# KiCad board NSMadapter.kicad_pcb
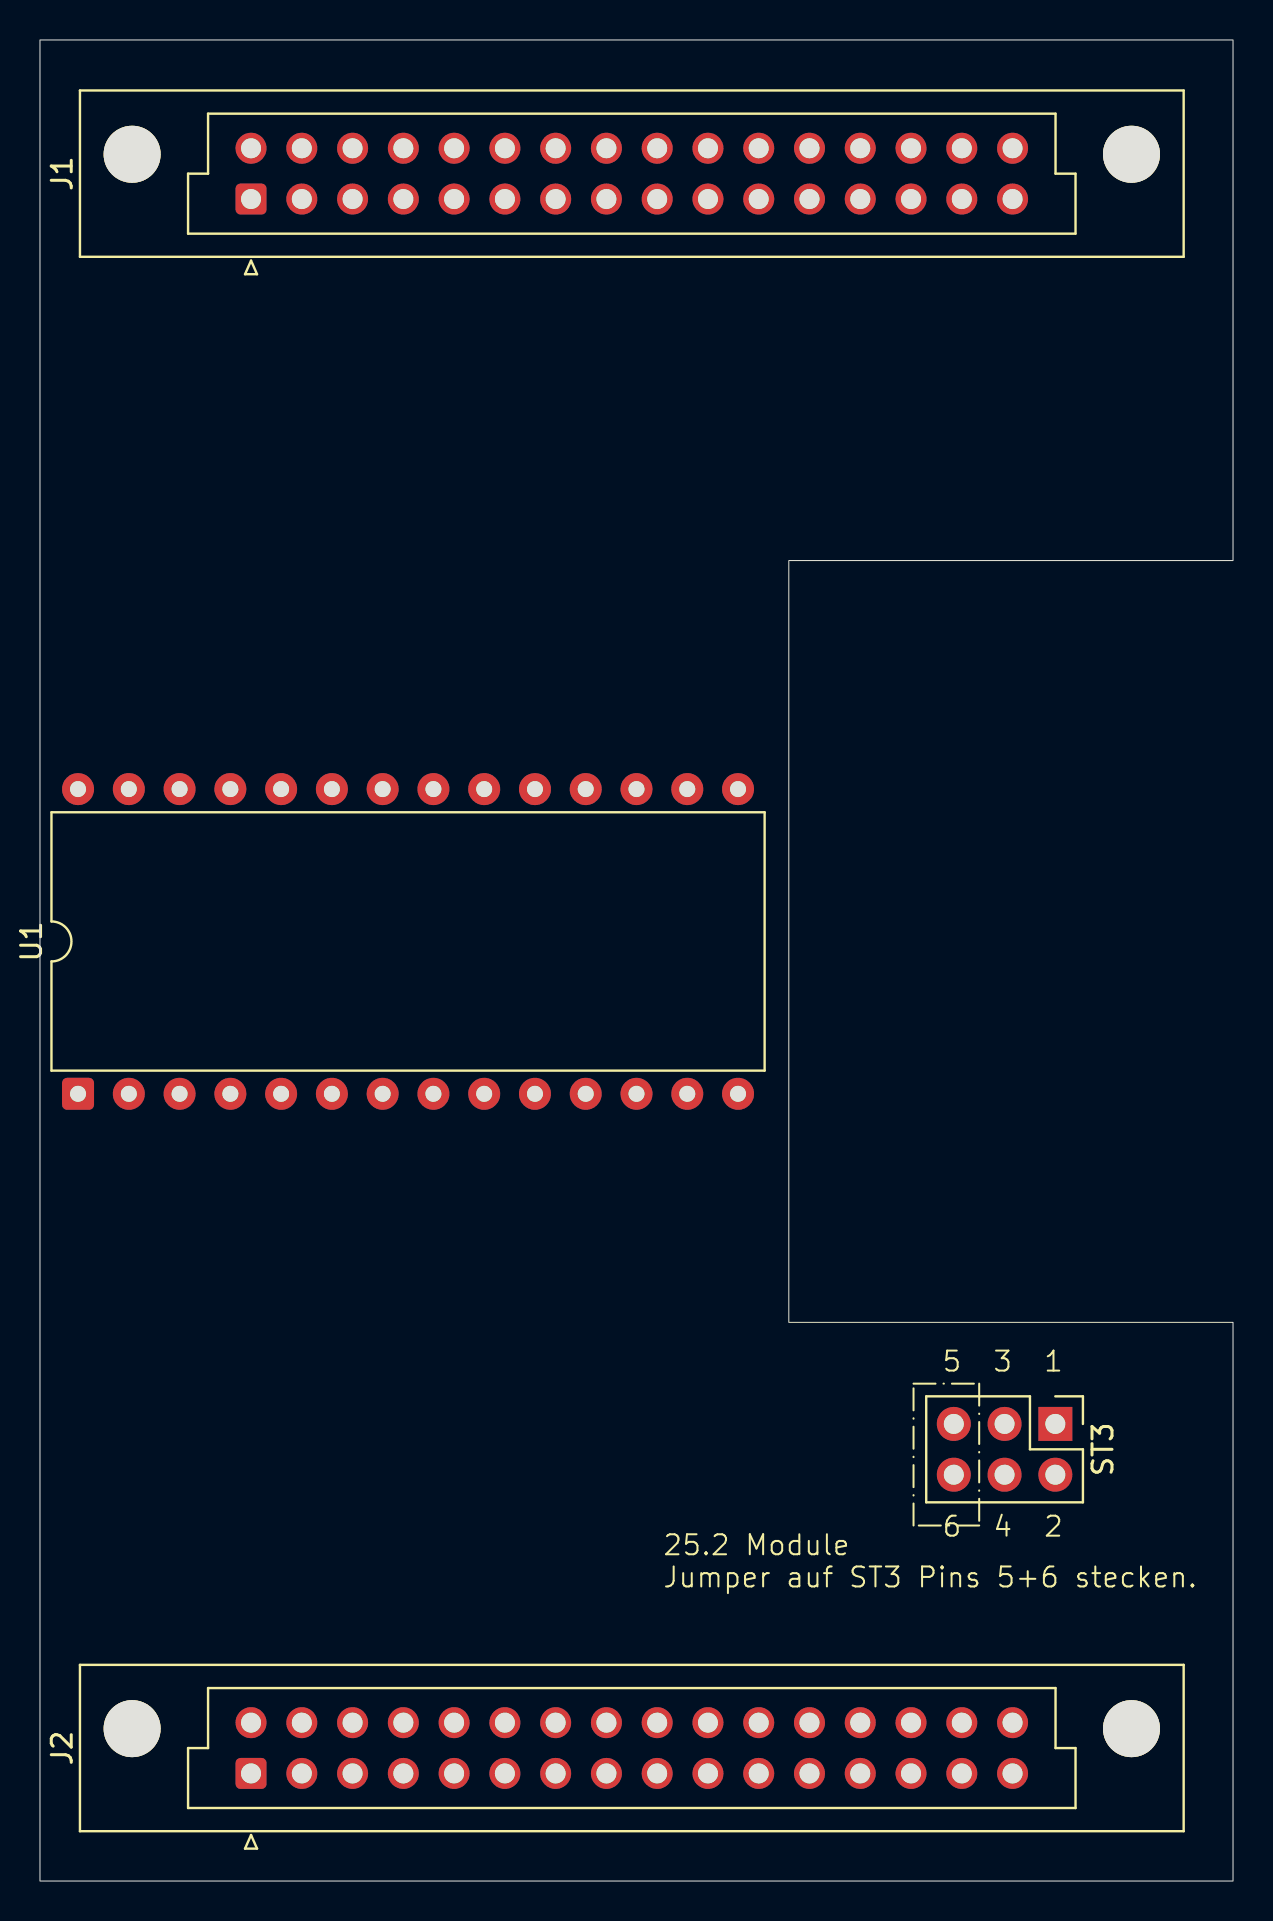
[diagram p0: board, top side]
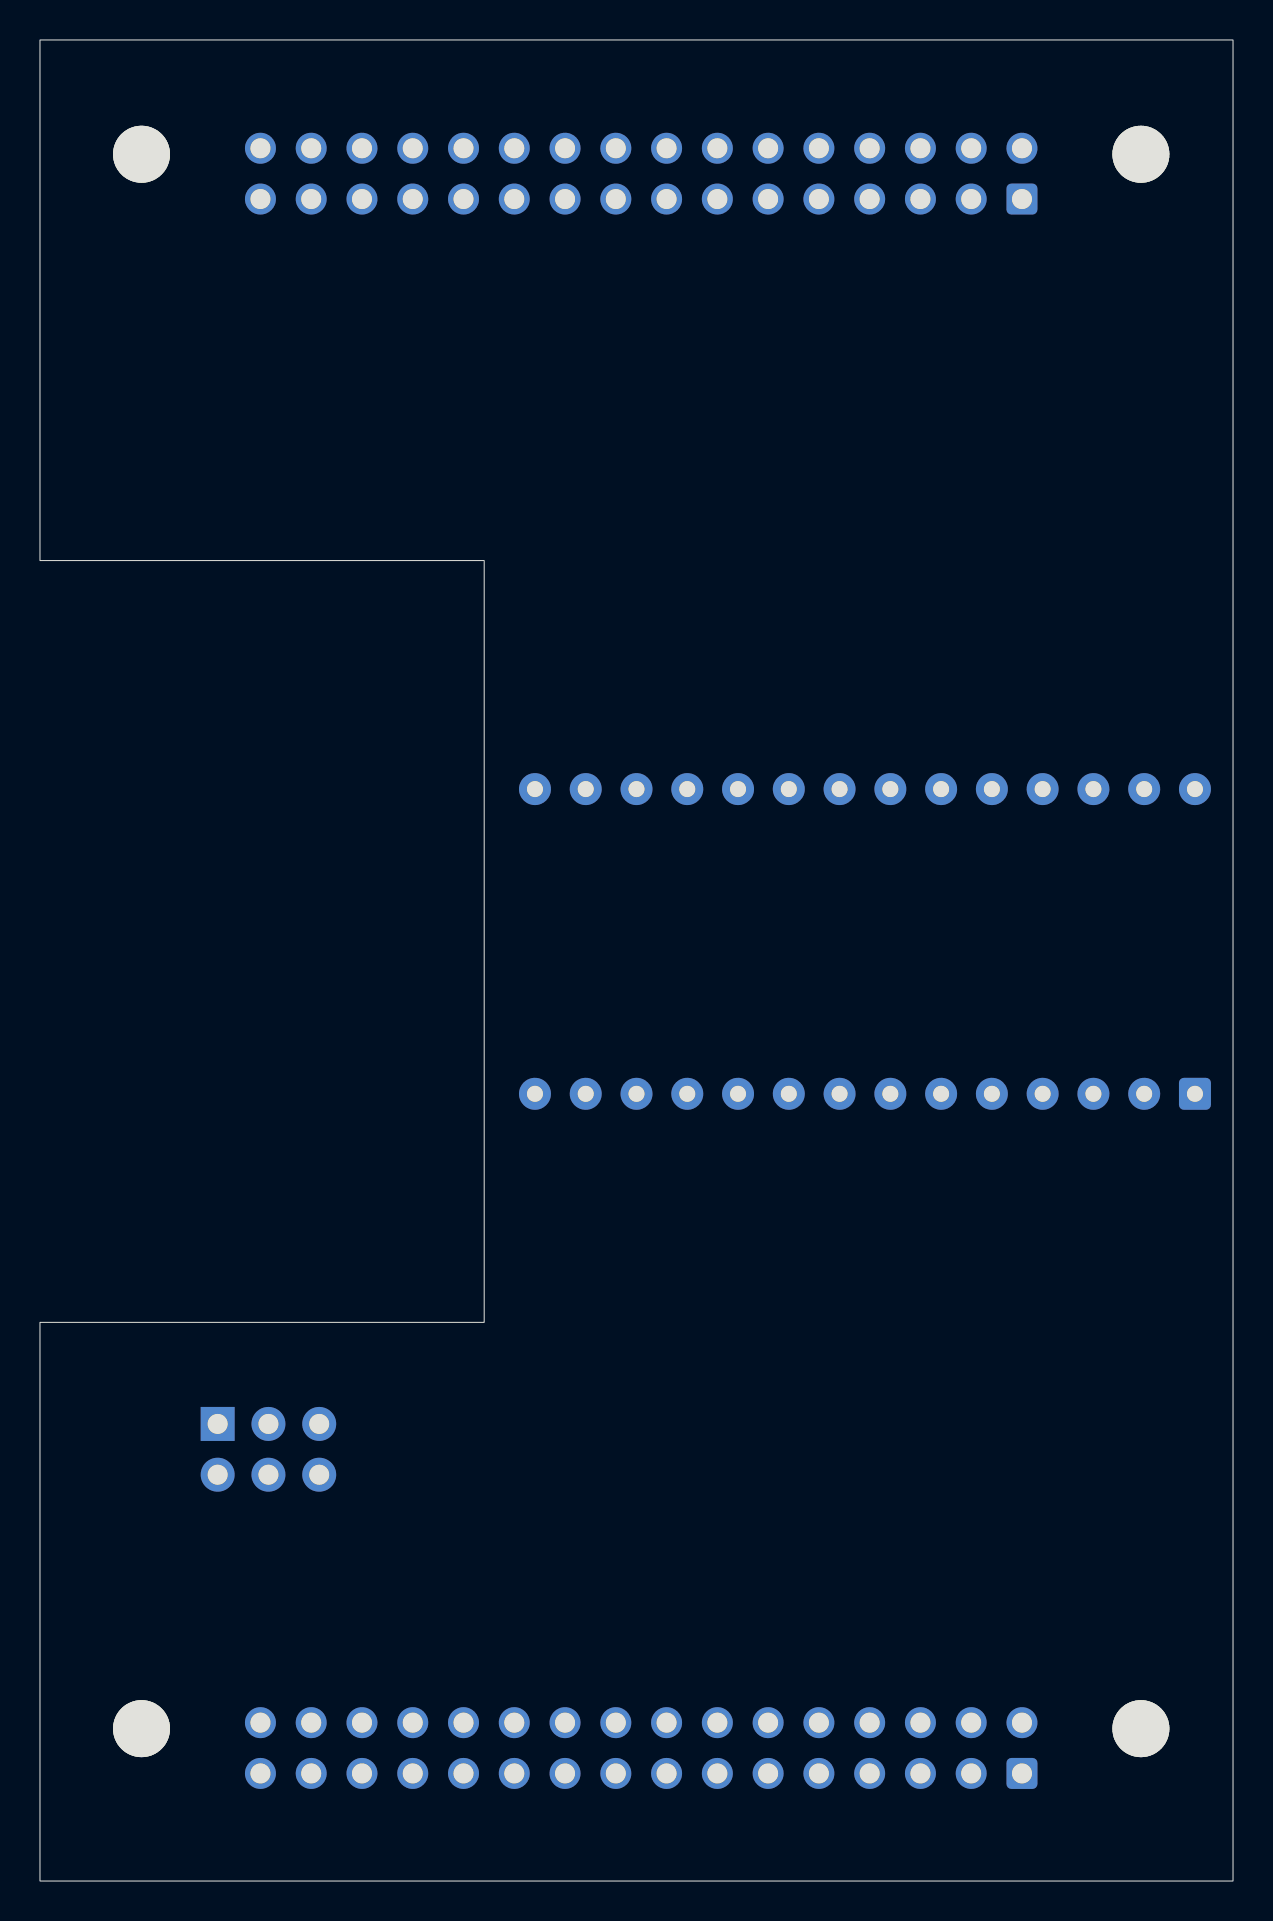
[diagram p1: board, bottom side, seen from below]

Outline 59.69 x 92.08 mm; copper layers: Top, Bottom. Coordinates in mm from the lower left corner of the outline.
Outline path: 0,0 0,92.08 59.69,92.08 59.69,66.04 37.46,66.04 37.46,27.94 59.69,27.94 59.69,0 closed

## Placement (name value [footprint] x y rotation side)
J1  DIN41612_02x16_AB  [DIN41612_B2_2x16_Female_Vertical_THT]  10.56 84.12 90 top
J2  DIN41612_02x16_AB  [DIN41612_B2_2x16_Female_Vertical_THT]  10.56 5.38 90 top
ST3  AVR-ISP-6  [PinHeader_2x03_P2.54mm_Vertical]  50.8 22.86 270 top
U1  M48T  [DIP-28_W15.24mm]  1.9 39.37 90 top

## Library data of the parts
J1 J2 = -: Description: DIN41612 connector, double row (AB), 02x16, script generated (kicad-library-utils/schlib/autogen/connector/); ki_fp_filters: DIN41612*2x*
ST3 = -: Description: Atmel 6-pin ISP connector; ki_fp_filters: IDC?Header*2x03* Pin?Header*2x03*

## Footprints (pads in the part's own frame, mm; a bottom-side part is the same pattern mirrored in y, then rotated)
DIN41612_B2_2x16_Female_Vertical_THT
  round 2.85 hole 2.85 unplated: (2.24,5.95) (2.24,-44.05)
  rrect 1.55x1.55 hole 1: a1(0,0)
  round 1.55 hole 1: a2(0,-2.54) a3(0,-5.08) a4(0,-7.62) a5(0,-10.16) a6(0,-12.7) a7(0,-15.24) a8(0,-17.78) a9(0,-20.32) a10(0,-22.86) a11(0,-25.4) a12(0,-27.94) a13(0,-30.48) a14(0,-33.02) a15(0,-35.56) a16(0,-38.1) b1(2.54,0) b2(2.54,-2.54) b3(2.54,-5.08) b4(2.54,-7.62) b5(2.54,-10.16) b6(2.54,-12.7) b7(2.54,-15.24) b8(2.54,-17.78) b9(2.54,-20.32) b10(2.54,-22.86) b11(2.54,-25.4) b12(2.54,-27.94) b13(2.54,-30.48) b14(2.54,-33.02) b15(2.54,-35.56) b16(2.54,-38.1)
DIP-28_W15.24mm
  rrect 1.6x1.6 hole 0.8: 1(0,0)
  round 1.6 hole 0.8: 2(0,-2.54) 3(0,-5.08) 4(0,-7.62) 5(0,-10.16) 6(0,-12.7) 7(0,-15.24) 8(0,-17.78) 9(0,-20.32) 10(0,-22.86) 11(0,-25.4) 12(0,-27.94) 13(0,-30.48) 14(0,-33.02) 15(15.24,-33.02) 16(15.24,-30.48) 17(15.24,-27.94) 18(15.24,-25.4) 19(15.24,-22.86) 20(15.24,-20.32) 21(15.24,-17.78) 22(15.24,-15.24) 23(15.24,-12.7) 24(15.24,-10.16) 25(15.24,-7.62) 26(15.24,-5.08) 27(15.24,-2.54) 28(15.24,0)
PinHeader_2x03_P2.54mm_Vertical
  rect 1.7x1.7 hole 1: 1(0,0)
  round 1.7 hole 1: 2(2.54,0) 3(0,-2.54) 4(2.54,-2.54) 5(0,-5.08) 6(2.54,-5.08)

## Nets
GND: J1.a1
VCC: J1.b15
PRG_A0: J1.b12 U1.10
PRG_A1: J1.b11 U1.9
PRG_A2: J1.b10 U1.8
PRG_A3: J1.b9 U1.7
PRG_A4: J1.b8 U1.6
PRG_A5: J1.b7 U1.5
PRG_A6: J1.b6 U1.4
PRG_A7: J1.b5 U1.3
PRG_A8: J1.a6 U1.25
PRG_A9: J1.a7 U1.24
PRG_A10: J1.a10 U1.21
PRG_A11: J1.a8 U1.23
PRG_A12: J1.b4 U1.2
PRG_A13: J1.a5
PRG_A14: J1.b3
PRG_A15: J1.a3
PRG_A16: J1.b1
PRG_A17: J1.a2
PRG_D0: J1.b13 U1.11
PRG_D1: J1.b14 U1.12
PRG_D2: J1.b16 U1.13
PRG_D3: J1.a16 U1.15
PRG_D4: J1.a15 U1.16
PRG_D5: J1.a14 U1.17
PRG_D6: J1.a13 U1.18
PRG_D7: J1.a12 U1.19
Net-(ST3-GND): ST3.5 ST3.6
Net-(ST3-MOSI): ST3.2 ST3.4

Pads without a net: J1 a4 a9 a11 b2; J2 a1 a2 a3 a4 a5 a6 a7 a8 a9 a10 a11 a12 a13 a14 a15 a16 b1 b2 b3 b4 b5 b6 b7 b8 b9 b10 b11 b12 b13 b14 b15 b16; ST3 1 3; U1 1 14 20 22 26 27 28

## Text on the board
F.Silkscreen: 25.2 Module / Jumper auf ST3 Pins 5+6 stecken. | 5 | 6 | 3 | 4 | 1 | 2
